# Altium PCB Fri3d_2024_Exp0_00.PcbDoc (part 1 of 2)
Units mm, origin at the board's own origin, x right, y up, seen from the top; angles counter-clockwise.
Board outline 99 x 104 mm, 2 copper layers (Top Layer, Bottom Layer), stack 1.571 mm thick; 37 components, 51 nets, 303 pads, 117 vias.
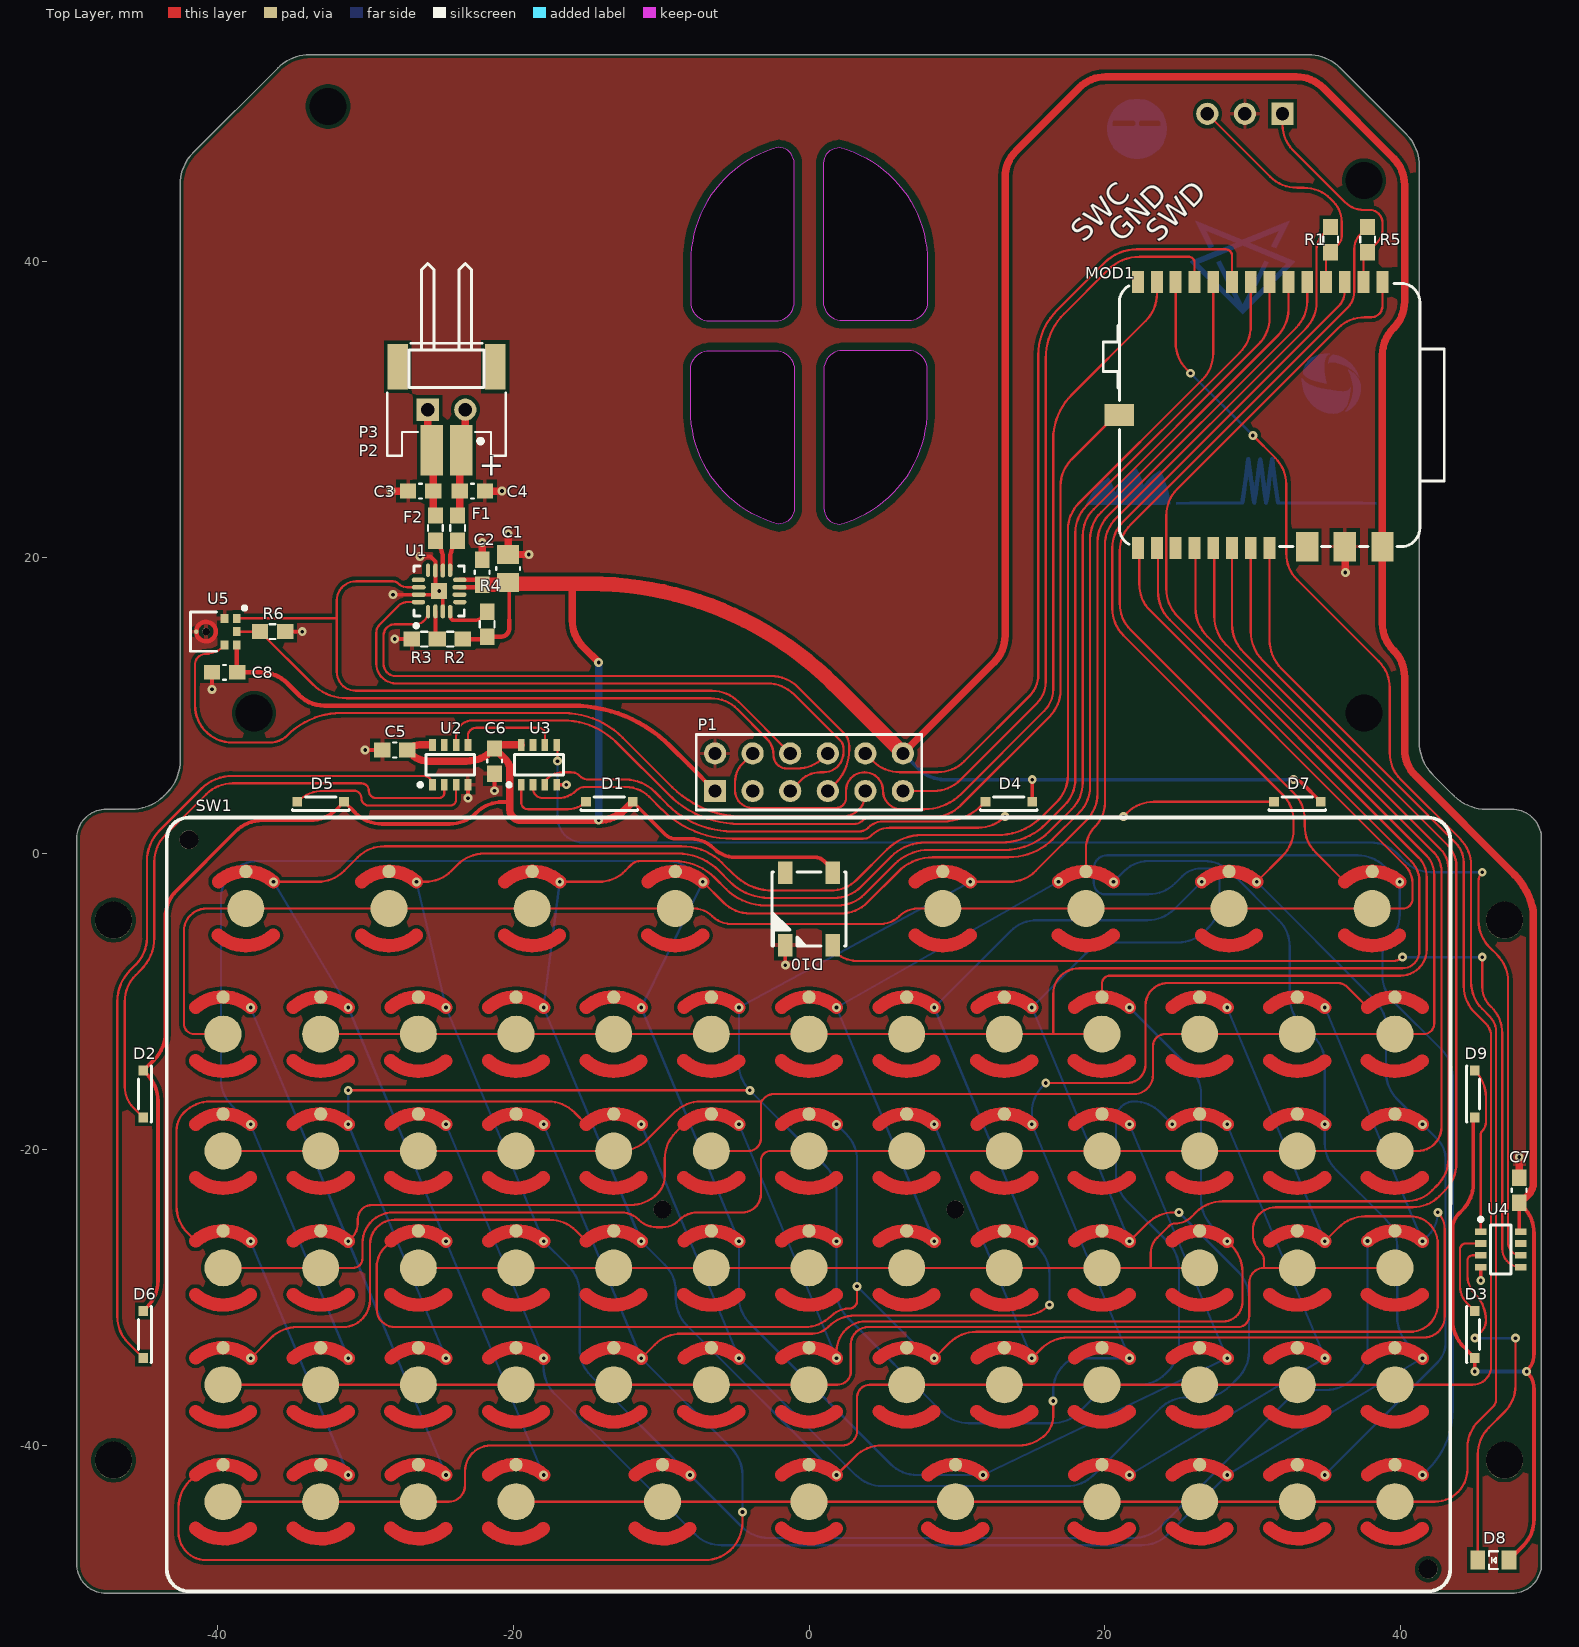
[diagram p0: Top Layer view]
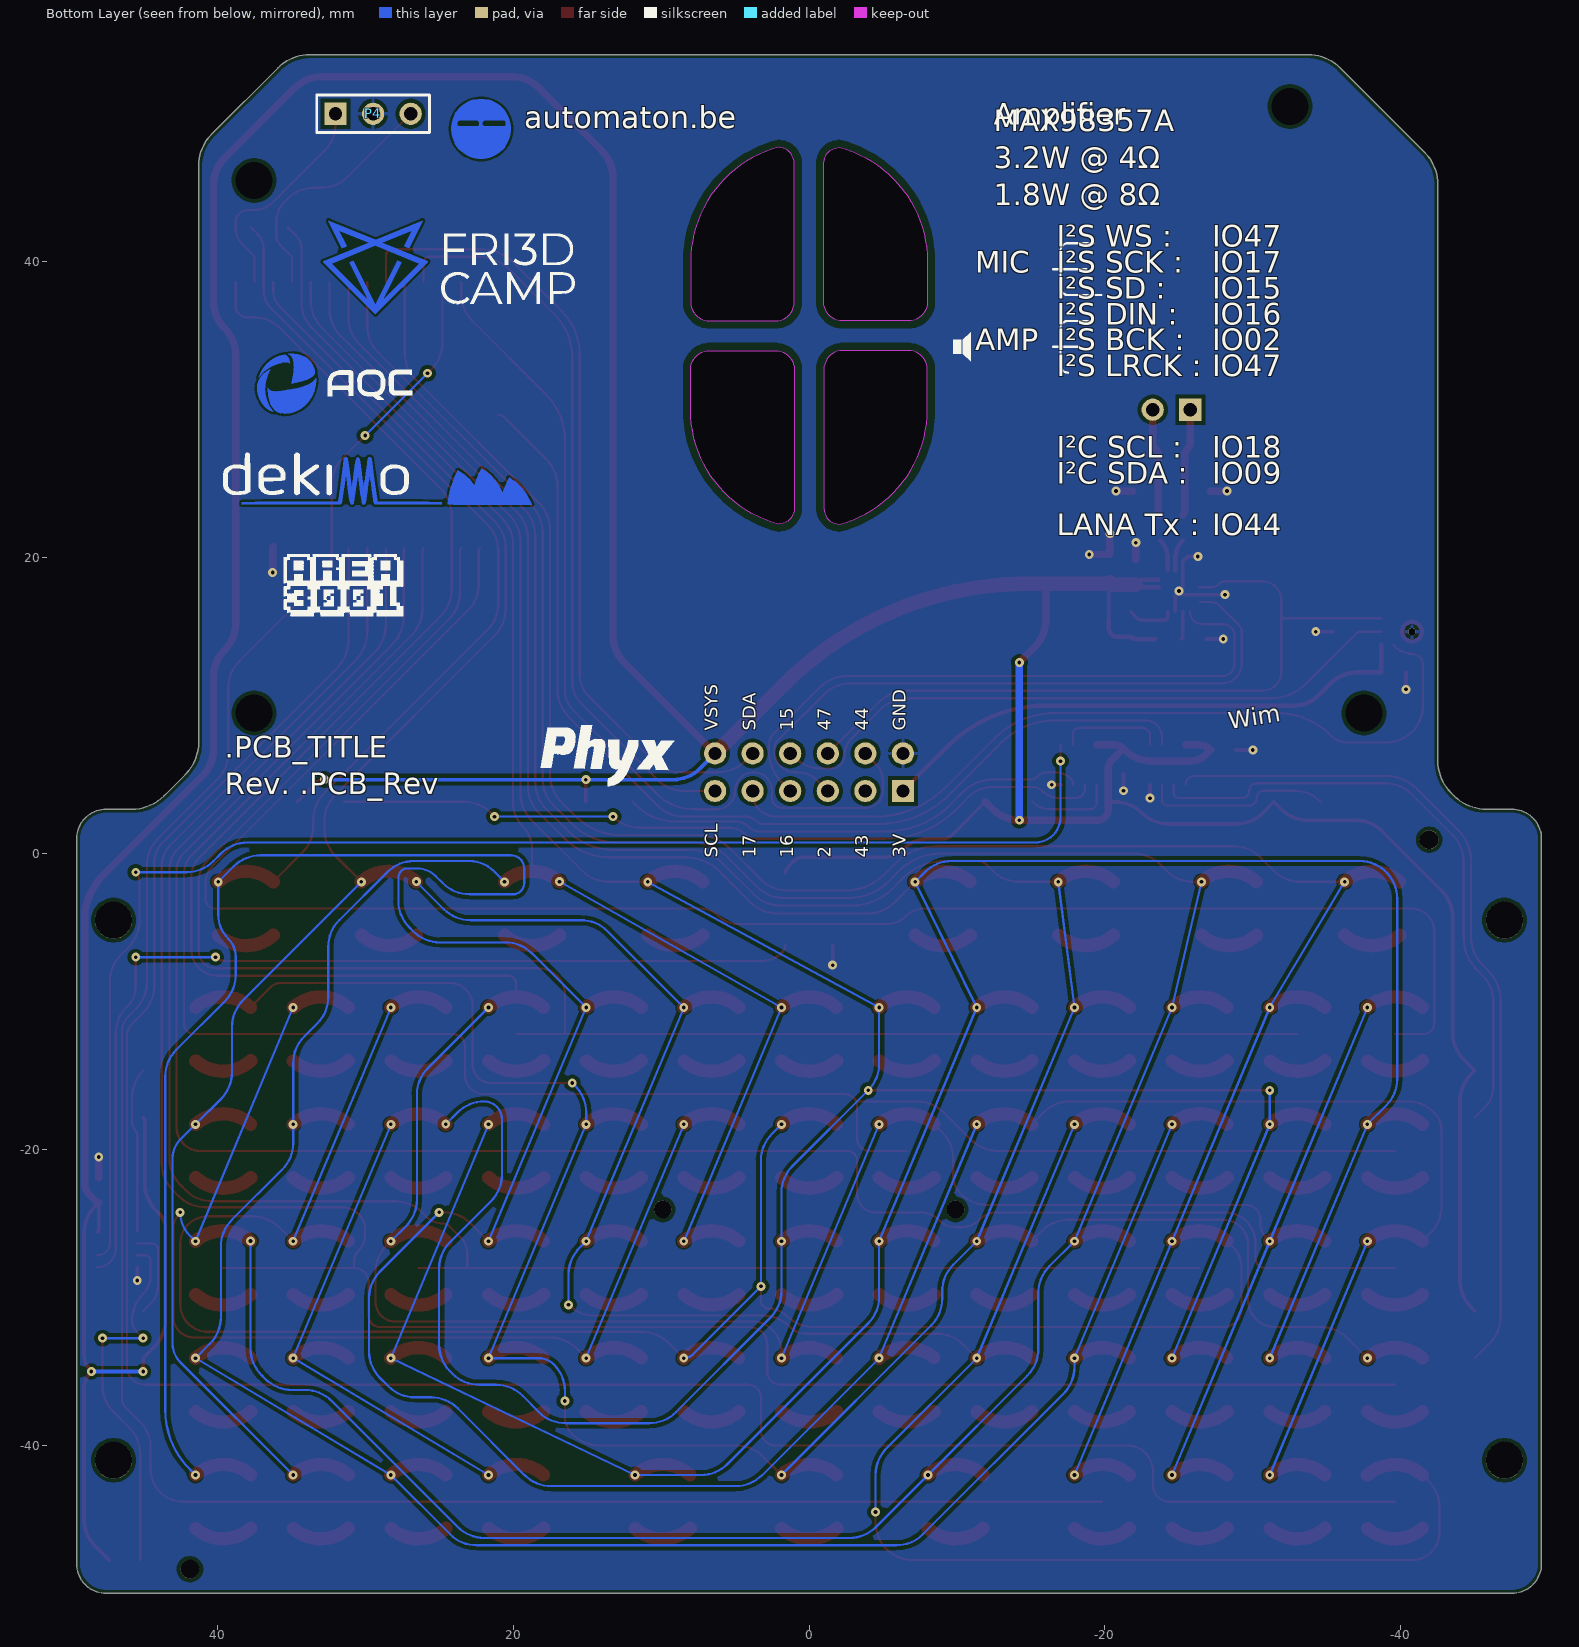
[diagram p1: Bottom Layer view, seen from below]

## Layer stack, top to bottom
Top Solder: solder mask 0.0102, Solder Resist, Dk 3.5
Top Layer: signal copper 0.0356
Dielectric1: core 1.5, FR-4, Dk 4.8
Bottom Layer: signal copper 0.0356
Bottom Solder: solder mask 0.0102, Solder Resist, Dk 3.5

## Board outline
-49.5,-48 ccw(c-47.5,-48) -47.5,-50 47.5,-50 ccw(c47.5,-48) 49.5,-48 49.5,1 ccw(c47.5,1) 47.5,3 45.77,3 cw(c45.77,6.066) 43.602,3.898 43.5,4 42.148,5.352 cw(c44.316,7.52) 41.25,7.52 41.25,7.561 41.25,46.48 ccw(c38.184,46.48) 40.352,48.648 35.898,53.102 ccw(c33.73,50.934) 33.73,54 -33.73,54 ccw(c-33.73,50.934) -35.898,53.102 -41.602,47.398 ccw(c-39.434,45.23) -42.5,45.23 -42.5,6.27 cw(c-45.566,6.27) -43.398,4.102 -43.5,4 -43.602,3.898 cw(c-45.77,6.066) -45.77,3 -47.5,3 ccw(c-47.5,1) -49.5,1
cut-out: -8,32.73 cw(c-6.73,32.73) -6.73,34 -2.27,34 cw(c-2.27,32.73) -1,32.73 -1,23.343 cw(c-2.071,23.343) -2.071,22.273 cw(c0,30) -8,30
cut-out: 8,32.73 ccw(c6.73,32.73) 6.73,34 2.27,34 ccw(c2.27,32.73) 1,32.73 1,23.343 ccw(c2.071,23.343) 2.071,22.273 ccw(c0,30) 8,30
cut-out: 8,37.27 cw(c6.73,37.27) 6.73,36 2.27,36 cw(c2.27,37.27) 1,37.27 1,46.657 cw(c2.071,46.657) 2.071,47.728 cw(c0,40) 8,40
cut-out: -8,37.27 ccw(c-6.73,37.27) -6.73,36 -2.27,36 ccw(c-2.27,37.27) -1,37.27 -1,46.657 ccw(c-2.071,46.657) -2.071,47.727 ccw(c0,40) -8,40

## Design rules (kind name [scope] priority, off if disabled: settings)
BoardOutlineClearance [NOT OnLayer('Top Overlay') AND NOT OnLayer('Bottom Overlay') AND NOT IsText AND NOT HasFootprint('MicroBIT_V2_PCB') AND NOT IsKeepOut] p1: gap=0.5 ignorepadtopadclearanceinfootprint=FALSE except(0: Arc-SplitContinuation Track-SplitContinuation SMDPad-SplitContinuation THPad-SplitContinuation Via-SplitContinuation Fill-SplitContinuation Poly-SplitContinuation Region-SplitContinuation Text-SplitContinuation; 0.15: SMDPad-OutlineEdge THPad-OutlineEdge; 0.25: Poly-OutlineEdge Region-OutlineEdge; 0.3: Arc-OutlineEdge Track-OutlineEdge; 0.4: Via-OutlineEdge)
Clearance [All] p1: gap=0.15 ignorepadtopadclearanceinfootprint=FALSE except(0: Arc-Hole Track-Hole SMDPad-Hole THPad-Hole Via-Hole Fill-Hole Region-Hole Text-Hole; 0.25: Arc-Poly Track-Poly SMDPad-Poly THPad-Poly Via-Poly Fill-Poly Poly-Hole; 1.1: Poly-Poly)
ComponentClearance ComponentClearance_TP [HasFootprint('TP_2x3mm')] p1: gap=0 collisioncheckmode=3 verticalgap=0 showdistances=FALSE
ComponentClearance ComponentClearance_CO2 [InComponent('P5') OR InComponent('P8') OR InComponent('MOD2') vs InComponent('P5') OR InComponent('P8') OR InComponent('MOD2')] p2: gap=0 collisioncheckmode=3 verticalgap=0 showdistances=FALSE
ComponentClearance ComponentClearance_BAT [InComponent('P4')  OR InComponent('BAT1') OR InComponent('R27') vs InComponent('P4')  OR InComponent('BAT1') OR InComponent('R27')] p3: gap=0 collisioncheckmode=3 verticalgap=0 showdistances=FALSE
ComponentClearance ComponentClearance_R31-T5 [InComponent('R31') OR InComponent('T5') vs InComponent('R31') OR InComponent('T5')] p4: gap=0 collisioncheckmode=3 verticalgap=0 showdistances=FALSE
ComponentClearance "ComponentClearance_Selection resistors" [InComponent('R45') OR InComponent('R44') OR InComponent('R33') OR InComponent('R34') vs InComponent('R45') OR InComponent('R44') OR InComponent('R33') OR InComponent('R34')] p5: gap=0 collisioncheckmode=3 verticalgap=0 showdistances=FALSE
ComponentClearance ComponentClearance_T9-R4 [InComponent('R4') OR InComponent('T9') vs InComponent('R4') OR InComponent('T9')] p6: gap=0 collisioncheckmode=3 verticalgap=0 showdistances=FALSE
ComponentClearance ComponentClearance_IR [InComponent('D6') OR InComponent('D15') vs InComponent('D6') OR InComponent('D15')] p7: gap=0 collisioncheckmode=3 verticalgap=0 showdistances=FALSE
ComponentClearance [All] p8: gap=0.25 collisioncheckmode=3 verticalgap=0.25 showdistances=FALSE
DiffPairsRouting [All] p1: maxlimit=0.254 minlimit=0.2 mostfreqgap=0.2 toplayer_minwidth=0.25 toplayer_maxwidth=0.5 toplayer_prefwidth=0.25 bottomlayer_minwidth=0.25 bottomlayer_maxwidth=0.5 bottomlayer_prefwidth=0.25 maxuncoupledlength=12.7
HoleSize [All] p1: absolutevalues=TRUE maxlimit=20 minlimit=0.025 maxpercent=80.000 minpercent=20.000
PolygonConnect PolygonConnect_VIA [IsVia] p1: connectstyle=Direct reliefconductorwidth=0.254 reliefentries=4 polygonreliefangle="90 Angle" airgapwidth=0.254
PolygonConnect [All] p2: connectstyle=Relief reliefconductorwidth=0.254 reliefentries=4 polygonreliefangle="90 Angle" airgapwidth=0.254
RoutingVias [All] p1: holewidth=0.3 width=0.7 viastyle="Through Hole" minholewidth=0.3 minwidth=0.2 maxholewidth=0.6 maxwidth=1.2
SilkToSolderMaskClearance SilkscreenOverComponentPads [IsPad] p1: minsilkscreentomaskgap=0.254 clearancetoexposedcopper=TRUE
SolderMaskExpansion [All] p1: expansion=0.05 istentingtop=FALSE
Width [All] p1: maxlimit=5 minlimit=0.15 preferedwidth=0.25
26 further rules are at their usual default settings.

## Classes and differential pairs
component class Designator: C5 C6 C7 D1 D2 D3 D4 D5 D6 D7 D8 D9 D10 MOD1 P4 R1 R5 SW1 U2 U3 U4
component class Fri3d_2024_Exp0_00: C1 C2 C3 C4 C8 F1 F2 P1 P2 P3 R2 R3 R4 R6 U1 U5

## Components (designator, comment, footprint, x,y, rotation, side; value= is the part's Value field where it differs from the comment)
C1 "CAP_CERAMIC" C0805_N -20.337,19.263 r90 top value="10uF 10V"
C2 "" C0603_N -22.087,19.013 r90 top value="100nF 16V"
C3 "CAP_CERAMIC" C0603_N -26.25,24.5 r180 top value=220pF
C4 "CAP_CERAMIC" C0603_N -22.75,24.5 r0 top value=220pF
C5 "CAP_CERAMIC" C0603_N -28,7 r180 top value="1uF 16V"
C6 "CAP_CERAMIC" C0603_N -21.25,6.25 r270 top value="1uF 16V"
C7 "CAP_CERAMIC" C0603_N 48,-22.75 r90 top value="1uF 16V"
C8 "" C0603_N -39.5,12.25 r180 top value="100nF 16V"
D1 "Side emitting Cool White LED 3.0V 30mA 120° 2900mcd" LITE_LTW-010DCG -13.5,3.5 r180 top value=LTW-010DCG-SR-G
D2 "Side emitting Cool White LED 3.0V 30mA 120° 2900mcd" LITE_LTW-010DCG -45,-16.25 r270 top value=LTW-010DCG-SR-G
D3 "Side emitting Cool White LED 3.0V 30mA 120° 2900mcd" LITE_LTW-010DCG 45,-32.5 r90 top value=LTW-010DCG-SR-G
D4 "Side emitting Cool White LED 3.0V 30mA 120° 2900mcd" LITE_LTW-010DCG 13.5,3.5 r180 top value=LTW-010DCG-SR-G
D5 "Side emitting Cool White LED 3.0V 30mA 120° 2900mcd" LITE_LTW-010DCG -33,3.5 r180 top value=LTW-010DCG-SR-G
D6 "Side emitting Cool White LED 3.0V 30mA 120° 2900mcd" LITE_LTW-010DCG -45,-32.5 r270 top value=LTW-010DCG-SR-G
D7 "Side emitting Cool White LED 3.0V 30mA 120° 2900mcd" LITE_LTW-010DCG 33,3.5 r180 top value=LTW-010DCG-SR-G
D8 "Default 0805 Red LED" LED_0805_RD 46.25,-47.75 r180 top
D9 "Side emitting Cool White LED 3.0V 30mA 120° 2900mcd" LITE_LTW-010DCG 45,-16.25 r90 top value=LTW-010DCG-SR-G
D10 "WS2812 based digital RGB LED 5050 Black package" LED_5050_WS2812B_BLACK 0,-3.75 r270 top value="WS218B 5050 BL"
F1 "BLM18KG601SN1D" L0603 -23.75,22 r90 top value="1A3 0R15"
F2 "BLM18KG601SN1D" L0603 -25.25,22 r90 top value="1A3 0R15"
MOD1 "CH23V203 based TNY module" PHYX_LANA_TNY_SMD 41.29,20.75 r90 top value="LANA TNY"
P1 "Header 6X2" HDR2X6 -6.35,4.23 r0 top locked
P2 "Header 2.0mm Shrouded 2" WE_620102131822 -23.5,27.25 r180 top value=620102131822
P3 "Header 2 RA" HDR1X2_RA -25.77,30 r180 top
P4 "Header 3" HDR1X3 32,50 r180 bottom
R1 "RESISTOR" R0603_N 35.25,41.5 r270 top value=0R
R2 "RESISTOR" R0603_N -24.25,14.5 r0 top value=100K
R3 "RESISTOR" R0603_N -26,14.5 r180 top value=100K
R4 "RESISTOR" R0603_N -21.75,15.5 r90 top value=1M
R5 "RESISTOR" R0603_N 37.75,41.5 r270 top value=0R
R6 "RESISTOR" R0603_N -36.25,15 r0 top value=100K
SW1 "Full QWERTY Keyboard Solder Party Dome Sheet" SOLDER_PARTY_KEYB -43.409,-48.36 r0 top locked
U1 "Mono I²S DAC AMP 3W 2.5~5.5V" QFN_16_0.5_3X3 -25,17.75 r90 top value=MAX98357A
U2 "3 Channel CC LED Driver 20mA" WS_FSOP-8 -24.25,6 r90 top value=WS2811F
U3 "3 Channel CC LED Driver 20mA" WS_FSOP-8 -18.25,6 r90 top value=WS2811F
U4 "3 Channel CC LED Driver 20mA" WS_FSOP-8 46.75,-26.75 r0 top value=WS2811F
U5 "I2S MIC ICS-43434" TDK_ICS-43434 -40.75,15 r180 top value=ICS-43434

## Footprints (in the part's own frame and the unit in brackets; to place one, negate y for a bottom-side part, rotate by r counter-clockwise, add the part's x,y. Pads: shape width x height; smd on the part's side, far side on the other; paste and mask are expansions set on the pad)
C0603_N [mm] "Low density"
  rect 1.1x1 smd: 1(-0.85,0) 2(0.85,0)
  silkscreen extent -0.1,-0.5 0.1,0.5, body extent -0.8,-0.4 0.8,0.4, height 0.3
C0805_N [mm] "Low density"
  rect 1.3x1.5 smd: 1(-0.95,0) 2(0.95,0)
  silkscreen extent -0.1,-0.8 0.1,0.8, body extent -1,-0.62 1,0.63, height 0.78
HDR1X2_RA [mm] "Connector; Header; 2 Position, Right Angle"
  rect 1.5x1.5 hole 0.9: 1(0,0)
  round 1.5 hole 0.9: 2(-2.54,0)
  silkscreen extent -3.81,-9.88 1.27,-1.5, body extent -3.81,-10.06 1.27,0.3, height 2.55
HDR1X3 [mm] "Connector; Header; 3 Position"
  rect 1.5x1.5 hole 0.9: 1(0,0)
  round 1.5 hole 0.9: 2(2.54,0) 3(5.08,0)
  silkscreen extent -1.27,-1.27 6.35,1.27, body extent -1.27,-1.23 6.35,1.27, height 8.2
HDR2X6 [mm] "Connector; Header; 6x2 Position"
  rect 1.5x1.5 hole 0.9: 1(0,0)
  round 1.5 hole 0.9: 2(0,2.54) 3(2.54,0) 4(2.54,2.54) 5(5.08,0) 6(5.08,2.54) 7(7.62,0) 8(7.62,2.54) 9(10.16,0) 10(10.16,2.54) 11(12.7,0) 12(12.7,2.54)
  silkscreen extent -1.27,-1.27 13.97,3.81, body extent -1.27,-1.27 13.97,3.81, height 8.5
L0603 [mm] "Low density 0603"
  rect 1.1x1 smd: 1(-0.85,0) 2(0.85,0)
  silkscreen extent -0.2,-0.5 0.2,0.5, body extent -0.8,-0.41 0.8,0.41, height 0.45
LED_0805_RD [mm] "0805 LED RED"
  rect 1x1.3 smd: 1(-1.05,0) 2(1.05,0)
  silkscreen extent -0.3,-0.6 0.3,0.6, body extent -1.01,-0.62 1.01,0.62, height 1.1
LED_5050_WS2812B_BLACK [mm] "5050 RGB LED WS2812B BLACK"
  rect 1.5x1 smd: 1(-2.45,1.6) 2(-2.45,-1.6) 3(2.45,-1.6) 4(2.45,1.6)
  silkscreen extent -2.5,-2.5 2.5,2.5, body extent -2.7,-2.5 2.7,2.5, height 1.6
LITE_LTW-010DCG [mm] "5050 RGB LED WS2812B WHITE"
  rect 0.67x0.66 smd: 1(-1.585,0) 2(1.585,0)
  silkscreen extent -1.9,-0.32 1.9,0.58, body extent -1.9,-0.33 1.9,0.58, height 0.4
PHYX_LANA_TNY_SMD [mm] "Phyx LANA TNY SMD"
  rect 1.5x0.8 smd: 1(-0.1,19.05) 2(-0.1,17.78) 3(-0.1,16.51) 4(-0.1,15.24) 5(-0.1,13.97) 6(-0.1,12.7) 7(-0.1,11.43) 8(-0.1,10.16) 12(17.88,2.54) 13(17.88,3.81) 14(17.88,5.08) 15(17.88,6.35) 16(17.88,7.62) 17(17.88,8.89) 18(17.88,10.16) 19(17.88,11.43) 20(17.88,12.7) 21(17.88,13.97) 22(17.88,15.24) 23(17.88,16.51) 24(17.88,17.78) 25(17.88,19.05)
  rect 2x1.5 smd: 9(0,7.62) 10(0,5.08) 11(0,2.54)
  rect 1.5x2 smd: 26(8.89,20.32)
  silkscreen extent 0,-1.64 17.78,21.4, body extent 0,-1.65 17.78,21.39, height 5.4
QFN_16_0.5_3X3 [mm] "QFN, 16-Leads, Body 3,00x3,00mm, Pitch 0,50mm, Thermal Pad 1,10x1,10mm, IPC Medium Density"
  oval 0.9x0.3 smd: 1(-1.4,0.75) 4(-1.4,-0.75) 9(1.4,-0.75) 12(1.4,0.75)
  oval 0.95x0.3 smd: 2(-1.375,0.25) 3(-1.375,-0.25) 10(1.375,-0.25) 11(1.375,0.25)
  oval 0.3x0.9 smd: 5(-0.75,-1.4) 8(0.75,-1.4) 13(0.75,1.4) 16(-0.75,1.4)
  oval 0.3x0.95 smd: 6(-0.25,-1.375) 7(0.25,-1.375) 14(0.25,1.375) 15(-0.25,1.375)
  rect 1.1x1.1 smd: 17(0,0)
  silkscreen extent -2.47,-1.7 1.7,1.7, body extent -1.56,-1.56 1.56,1.56, height 0.8
R0603_N [mm] "Low density"
  rect 1.1x1 smd: 1(-0.85,0) 2(0.85,0)
  silkscreen extent -0.2,-0.5 0.2,0.5, body extent -0.8,-0.41 0.8,0.41, height 0.45
SOLDER_PARTY_KEYB [mm]
  round 1.27 hole 1.27 unplated: 0(1.5,49.3) 0(85.25,0)
  round 1.2 hole 1.2 unplated: 0(33.5,24.31) 0(53.3,24.31)
  round 0.9 smd paste-2539.97: 1(5.349,47.151) 3(15.024,47.151) 5(24.699,47.151) 7(34.374,47.151) 9(52.449,47.151) 11(62.124,47.151) 13(71.799,47.151) 15(81.474,47.151) 17(3.809,38.661) 19(10.409,38.661) 21(17.009,38.661) 23(23.609,38.661) 25(30.209,38.661) 27(36.809,38.661) 29(43.409,38.661) 31(50.009,38.661) 33(56.609,38.661) 35(63.209,38.661) 37(69.809,38.661) 39(76.409,38.661) 41(83.009,38.661) 43(3.809,30.761) 45(10.409,30.761) 47(17.009,30.761) 49(23.609,30.761) 51(30.209,30.761) 53(36.809,30.761) 55(43.409,30.761) 57(50.009,30.761) 59(56.609,30.761) 61(63.209,30.761) 63(69.809,30.761) 65(76.409,30.761) 67(83.009,30.761) 69(3.809,22.861) 71(10.409,22.861) 73(17.009,22.861) 75(23.609,22.861) 77(30.209,22.861) 79(36.809,22.861) 81(43.409,22.861) 83(50.009,22.861) 85(56.609,22.861) 87(63.209,22.861) 89(69.809,22.861) 91(76.409,22.861) 93(83.009,22.861) 95(3.809,14.961) 97(10.409,14.961) 99(17.009,14.961) 101(23.609,14.961) 103(30.209,14.961) 105(36.809,14.961) 107(43.409,14.961) 109(50.009,14.961) 111(56.609,14.961) 113(63.209,14.961) 115(69.809,14.961) 117(76.409,14.961) 119(83.009,14.961) 121(3.809,7.061) 123(10.409,7.06) 125(17.009,7.06) 127(23.609,7.06) 129(33.509,7.06) 131(43.409,7.06) 133(53.309,7.06) 135(63.209,7.06) 137(69.809,7.06) 139(76.409,7.06) 141(83.009,7.06)
  round 2.5 smd paste-2539.97: 2(5.349,44.65) 4(15.024,44.65) 6(24.699,44.65) 8(34.374,44.65) 10(52.449,44.65) 12(62.124,44.65) 14(71.799,44.65) 16(81.474,44.65) 18(3.809,36.16) 20(10.409,36.16) 22(17.009,36.16) 24(23.609,36.16) 26(30.209,36.16) 28(36.809,36.16) 30(43.409,36.16) 32(50.009,36.16) 34(56.609,36.16) 36(63.209,36.16) 38(69.809,36.16) 40(76.409,36.16) 42(83.009,36.16) 44(3.809,28.26) 46(10.409,28.26) 48(17.009,28.26) 50(23.609,28.26) 52(30.209,28.26) 54(36.809,28.26) 56(43.409,28.26) 58(50.009,28.26) 60(56.609,28.26) 62(63.209,28.26) 64(69.809,28.26) 66(76.409,28.26) 68(83.009,28.26) 70(3.809,20.36) 72(10.409,20.36) 74(17.009,20.36) 76(23.609,20.36) 78(30.209,20.36) 80(36.809,20.36) 82(43.409,20.36) 84(50.009,20.36) 86(56.609,20.36) 88(63.209,20.36) 90(69.809,20.36) 92(76.409,20.36) 94(83.009,20.36) 96(3.809,12.46) 98(10.409,12.46) 100(17.009,12.46) 102(23.609,12.46) 104(30.209,12.46) 106(36.809,12.46) 108(43.409,12.46) 110(50.009,12.46) 112(56.609,12.46) 114(63.209,12.46) 116(69.809,12.46) 118(76.409,12.46) 120(83.009,12.46) 122(3.809,4.56) 124(10.409,4.559) 126(17.009,4.559) 128(23.609,4.559) 130(33.509,4.559) 132(43.409,4.559) 134(53.309,4.559) 136(63.209,4.559) 138(69.809,4.559) 140(76.409,4.559) 142(83.009,4.559)
  Top Layer lines w0.9: 1.944,2.76 ccw(c3.809,4.853) 5.657,2.746 ; 1.944,10.66 ccw(c3.809,12.753) 5.657,10.646 ; 1.944,18.56 ccw(c3.809,20.653) 5.657,18.546 ; 1.944,26.46 ccw(c3.809,28.553) 5.657,26.446 ; 1.944,34.36 ccw(c3.809,36.453) 5.657,34.346 ; 1.958,6.374 cw(c3.806,4.267) 5.671,6.36 ; 1.958,14.274 cw(c3.806,12.167) 5.671,14.26 ; 1.958,22.174 cw(c3.806,20.067) 5.671,22.16 ; 1.958,30.074 cw(c3.806,27.967) 5.671,30.06 ; 1.958,37.974 cw(c3.806,35.867) 5.671,37.96 ; 3.484,42.85 ccw(c5.349,44.943) 7.197,42.836 ; 3.498,46.464 cw(c5.346,44.357) 7.211,46.45 ; 8.544,2.759 ccw(c10.409,4.852) 12.257,2.745 ; 8.544,10.66 ccw(c10.409,12.753) 12.257,10.646 ; 8.544,18.56 ccw(c10.409,20.653) 12.257,18.546 ; 8.544,26.46 ccw(c10.409,28.553) 12.257,26.446 ; 8.544,34.36 ccw(c10.409,36.453) 12.257,34.346 ; 8.558,6.373 cw(c10.406,4.266) 12.271,6.359 ; 8.557,14.274 cw(c10.406,12.167) 12.271,14.26 ; 8.557,22.174 cw(c10.406,20.067) 12.271,22.16 ; 8.557,30.074 cw(c10.406,27.967) 12.271,30.06 ; 8.557,37.974 cw(c10.406,35.867) 12.271,37.96 ; 13.159,42.85 ccw(c15.024,44.943) 16.872,42.836 ; 13.173,46.464 cw(c15.021,44.357) 16.886,46.45 ; 15.144,2.759 ccw(c17.009,4.852) 18.857,2.745 ; 15.144,10.66 ccw(c17.009,12.753) 18.857,10.646 ; 15.144,18.56 ccw(c17.009,20.653) 18.857,18.546 ; 15.144,26.46 ccw(c17.009,28.553) 18.857,26.446 ; 15.144,34.36 ccw(c17.009,36.453) 18.857,34.346 ; 15.158,6.373 cw(c17.006,4.266) 18.871,6.359 ; 15.157,14.274 cw(c17.006,12.167) 18.871,14.26 ; 15.157,22.174 cw(c17.006,20.067) 18.871,22.16 ; 15.157,30.074 cw(c17.006,27.967) 18.871,30.06 ; 15.157,37.974 cw(c17.006,35.867) 18.871,37.96 ; 21.744,2.759 ccw(c23.609,4.852) 25.457,2.745 ; 21.744,10.66 ccw(c23.609,12.753) 25.457,10.646 ; 21.744,18.56 ccw(c23.609,20.653) 25.457,18.546 ; 21.744,26.46 ccw(c23.609,28.553) 25.457,26.446 ; 21.744,34.36 ccw(c23.609,36.453) 25.457,34.346 ; 21.758,6.373 cw(c23.606,4.266) 25.471,6.359 ; 21.758,14.274 cw(c23.606,12.167) 25.471,14.26 ; 21.758,22.174 cw(c23.606,20.067) 25.471,22.16 ; 21.758,30.074 cw(c23.606,27.967) 25.471,30.06 ; 21.758,37.974 cw(c23.606,35.867) 25.471,37.96 ; 22.834,42.85 ccw(c24.699,44.943) 26.547,42.836 ; 22.848,46.464 cw(c24.696,44.357) 26.561,46.45 ; 28.344,10.66 ccw(c30.209,12.753) 32.057,10.646 ; 28.344,18.56 ccw(c30.209,20.653) 32.057,18.546 ; 28.344,26.46 ccw(c30.209,28.553) 32.057,26.446 ; 28.344,34.36 ccw(c30.209,36.453) 32.057,34.346 ; 28.358,14.274 cw(c30.206,12.167) 32.071,14.26 ; 28.358,22.174 cw(c30.206,20.067) 32.071,22.16 ; 28.358,30.074 cw(c30.206,27.967) 32.071,30.06 ; 28.358,37.974 cw(c30.206,35.867) 32.071,37.96 ; 31.644,2.759 ccw(c33.509,4.852) 35.357,2.745 ; 31.658,6.373 cw(c33.506,4.266) 35.371,6.359 ; 32.509,42.85 ccw(c34.374,44.943) 36.222,42.836 ; 32.523,46.464 cw(c34.371,44.357) 36.236,46.45 ; 34.944,10.66 ccw(c36.809,12.753) 38.657,10.646 ; 34.944,18.56 ccw(c36.809,20.653) 38.657,18.546 ; 34.944,26.46 ccw(c36.809,28.553) 38.657,26.446 ; 34.944,34.36 ccw(c36.809,36.453) 38.657,34.346 ; 34.958,14.274 cw(c36.806,12.167) 38.671,14.26 ; 34.958,22.174 cw(c36.806,20.067) 38.671,22.16 ; 34.958,30.074 cw(c36.806,27.967) 38.671,30.06 ; 34.958,37.974 cw(c36.806,35.867) 38.671,37.96 ; 41.544,2.759 ccw(c43.409,4.852) 45.257,2.745 ; 41.544,10.66 ccw(c43.409,12.753) 45.257,10.646 ; 41.544,18.56 ccw(c43.409,20.653) 45.257,18.546 ; 41.544,26.46 ccw(c43.409,28.553) 45.257,26.446 ; 41.544,34.36 ccw(c43.409,36.453) 45.257,34.346 ; 41.558,6.373 cw(c43.406,4.266) 45.271,6.359 ; 41.557,14.274 cw(c43.406,12.167) 45.271,14.26 ; 41.557,22.174 cw(c43.406,20.067) 45.271,22.16 ; 41.557,30.074 cw(c43.406,27.967) 45.271,30.06 ; 41.557,37.974 cw(c43.406,35.867) 45.271,37.96 ; 48.144,10.66 ccw(c50.009,12.753) 51.857,10.646 ; 48.144,18.56 ccw(c50.009,20.653) 51.857,18.546 ; 48.144,26.46 ccw(c50.009,28.553) 51.857,26.446 ; 48.144,34.36 ccw(c50.009,36.453) 51.857,34.346 ; 48.158,14.274 cw(c50.006,12.167) 51.871,14.26 ; 48.158,22.174 cw(c50.006,20.067) 51.871,22.16 ; 48.158,30.074 cw(c50.006,27.967) 51.871,30.06 ; 48.158,37.974 cw(c50.006,35.867) 51.871,37.96 ; 50.584,42.85 ccw(c52.449,44.943) 54.297,42.836 ; 50.598,46.464 cw(c52.446,44.357) 54.311,46.45 ; 51.444,2.759 ccw(c53.309,4.852) 55.157,2.745 ; 51.458,6.373 cw(c53.306,4.266) 55.171,6.359 ; 54.744,10.66 ccw(c56.609,12.753) 58.457,10.646 ; 54.744,18.56 ccw(c56.609,20.653) 58.457,18.546 ; 54.744,26.46 ccw(c56.609,28.553) 58.457,26.446 ; 54.744,34.36 ccw(c56.609,36.453) 58.457,34.346 ; 54.758,14.274 cw(c56.606,12.167) 58.471,14.26 ; 54.758,22.174 cw(c56.606,20.067) 58.471,22.16 ; 54.758,30.074 cw(c56.606,27.967) 58.471,30.06 ; 54.758,37.974 cw(c56.606,35.867) 58.471,37.96 ; 60.259,42.85 ccw(c62.124,44.943) 63.973,42.836 ; 60.273,46.464 cw(c62.121,44.357) 62.124,47.16 cw(c62.121,44.357) 63.986,46.45 ; 61.344,2.759 ccw(c63.209,4.852) 65.057,2.745 ; 61.344,10.66 ccw(c63.209,12.753) 65.057,10.646 ; 61.344,18.56 ccw(c63.209,20.653) 65.057,18.546 ; 61.344,26.46 ccw(c63.209,28.553) 65.057,26.446 ; 61.344,34.36 ccw(c63.209,36.453) 65.057,34.346 ; 61.358,6.373 cw(c63.206,4.266) 65.071,6.359 ; 61.358,14.274 cw(c63.206,12.167) 65.071,14.26 ; 61.358,22.174 cw(c63.206,20.067) 65.071,22.16 ; 61.358,30.074 cw(c63.206,27.967) 65.071,30.06 ; 61.358,37.974 cw(c63.206,35.867) 63.209,38.67 cw(c63.206,35.867) 65.071,37.96 ; 67.944,2.759 ccw(c69.809,4.852) 71.657,2.745 ; 67.944,10.66 ccw(c69.809,12.753) 71.657,10.646 ; 67.944,18.56 ccw(c69.809,20.653) 71.657,18.546 ; 67.944,26.46 ccw(c69.809,28.553) 71.657,26.446 ; 67.944,34.36 ccw(c69.809,36.453) 71.657,34.346 ; 67.958,6.373 cw(c69.806,4.266) 71.671,6.359 ; 67.958,14.274 cw(c69.806,12.167) 71.671,14.26 ; 67.958,22.174 cw(c69.806,20.067) 71.671,22.16 ; 67.958,30.074 cw(c69.806,27.967) 71.671,30.06 ; 67.958,37.974 cw(c69.806,35.867) 71.671,37.96 ; 69.934,42.85 ccw(c71.799,44.943) 73.647,42.836 ; 69.948,46.464 cw(c71.796,44.357) 71.799,47.16 cw(c71.796,44.357) 73.661,46.45 ; 74.544,2.759 ccw(c76.409,4.852) 78.257,2.745 ; 74.544,10.66 ccw(c76.409,12.753) 78.257,10.646 ; 74.544,18.56 ccw(c76.409,20.653) 78.257,18.546 ; 74.544,26.46 ccw(c76.409,28.553) 78.257,26.446 ; 74.544,34.36 ccw(c76.409,36.453) 78.257,34.346 ; 74.558,6.373 cw(c76.406,4.266) 78.271,6.359 ; 74.558,14.274 cw(c76.406,12.167) 78.271,14.26 ; 74.558,22.174 cw(c76.406,20.067) 78.271,22.16 ; 74.558,30.074 cw(c76.406,27.967) 78.271,30.06 ; 74.558,37.974 cw(c76.406,35.867) 78.271,37.96 ; 79.609,42.85 ccw(c81.474,44.943) 83.322,42.836 ; 79.623,46.464 cw(c81.471,44.357) 81.465,47.16 cw(c81.471,44.357) 83.336,46.45 ; 81.144,2.759 ccw(c83.009,4.852) 84.857,2.745 ; 81.144,10.66 ccw(c83.009,12.753) 84.857,10.646 ; 81.144,18.56 ccw(c83.009,20.653) 84.857,18.546 ; 81.144,26.46 ccw(c83.009,28.553) 84.857,26.446 ; 81.144,34.36 ccw(c83.009,36.453) 84.857,34.346 ; 81.158,6.373 cw(c83.006,4.266) 84.871,6.359 ; 81.158,14.274 cw(c83.006,12.167) 84.871,14.26 ; 81.158,22.174 cw(c83.006,20.067) 84.871,22.16 ; 81.158,30.074 cw(c83.006,27.967) 84.871,30.06 ; 81.158,37.974 cw(c83.006,35.867) 84.871,37.96
  silkscreen extent 0,-1.5 86.76,50.8, body extent 0,-1.5 86.75,50.8, height 4.95
TDK_ICS-43434 [mm]
  rect 0.522x0.6 smd: 1(-2.074,-0.9) 2(-1.252,-0.9) 4(-1.252,0.9) 5(-2.074,0.9) 6(-2.074,0)
  round 0.5 hole 0.5 unplated: 3(0,0)
  round 0.3 smd: 3(0.663,0)
  Top Layer circle w0.3: c0,0 r0.663
  silkscreen extent -2.73,-1.72 1.04,1.33, body extent -2.46,-1.33 1.04,1.33, height 0.98
WE_620102131822 [mm]
  rect 1.5x3.4 smd: 1(0,0) 2(2,0)
  rect 1.4x3.1 smd: M1(-2.3,-5.65) M2(4.3,-5.65)
  silkscreen extent -3,-7.24 5,0.37, body extent -3,-7.24 5,1.36, height 5.65
WS_FSOP-8 [mm] "TSOP, 8-Leads, Body 3,25x1,65mm, Pitch 0,80mm, IPC Medium Density"
  rect 0.8x0.45 smd: 1(-1.35,1.2) 2(-1.35,0.4) 3(-1.35,-0.4) 4(-1.35,-1.2) 5(1.35,-1.2) 6(1.35,-0.4) 7(1.35,0.4) 8(1.35,1.2)
  silkscreen extent -1.47,-1.65 0.7,2.15, body extent -1.43,-1.65 1.43,1.65, height 1

## Part data
C1: library part "CAP # 10uF 10V 0805", "Capacitor Ceramic", Supplier Part Number 1=2320859, Supplier 1=Farnell
C2 C8: library part "CAP # 100nF 16V 0603", "Capacitor Ceramic"
C3 C4: library part "CAP # 220pF 50V 0603", "Capacitor Ceramic", Supplier Part Number 1=C5254623, Supplier 1=LCSC, Supplier 2=LCSC, Supplier 3=Generic, Supplier Part Number 2=C107081, Supplier Part Number 3="220pF 0603"
C5 C6 C7: library part "CAP # 1uF 16V 0603", "Capacitor Ceramic", Supplier Part Number 1=2320814, Supplier 1=Farnell, Supplier 2=LCSC, Supplier 3=Generic, Supplier Part Number 2=C1592, Supplier Part Number 3="1uF 16V 0603 X7R"
D1 D2 D3 D4 D5 D6 D7 D9: library part "LED # White Side Emitting LTW-010DCG-SR-G", "=Description", Supplier Part Number 1=C5175311, Supplier 1=LCSC, Supplier 2=LCSC, Supplier 3=LCSC, Supplier Part Number 2=C5175309, Supplier Part Number 3=C5175310
D8: library part "LED # Red 0805", "=Description", Supplier Part Number 1=2099236, Supplier 1=Farnell, Supplier 2=LCSC, Supplier Part Number 2=C965812
D10: library part "LED # RGB WS2812B-5050 BL", "=Description", Supplier Part Number 1="WS2812B Black 5050", Supplier 1=Aliexpress, Supplier 2=LCSC, Supplier Part Number 2=C114586
F1 F2: library part "FER # 600R 1A3 0603 0R15 BLM18KG601SN1D", Supplier Part Number 1=1781094, Supplier 1=Farnell
MOD1: library part "MOD # CH23V203 LANA TNY SMD", Supplier Part Number 1="LANA TNY", Supplier 1=Phyx
P1: library part "Pin Header 2.54mm dual row 12way"
P2: library part "HDR # SHR 2.0mm 2way - 620102131822", Supplier Part Number 1=620102131822, Supplier 1=Wurth, Supplier 2=Mouser, Supplier Part Number 2=710-620102131822
P3: library part "Pin Header 2.54mm 2way RA"
P4: library part "Pin Header 2.54mm 3way", Supplier Part Number 1=C429954, Supplier 1=LCSC, Supplier 2=LCSC, Supplier Part Number 2=C49257
R1 R5: library part "RES # 0R 0603", Supplier Part Number 1=2447743, Supplier 1=Farnell, Supplier 2=LCSC, Supplier 3=Generic, Supplier Part Number 2=C95177, Supplier Part Number 3="0R 1% 0603"
R2 R3 R6: library part "RES # 100K 0603", Supplier 3=Generic, Supplier Part Number 3="100K 1% 0603"
R4: library part "RES # 1M 0603", Supplier 3=Generic, Supplier Part Number 3="1M 1% 0603"
SW1: library part Solder_Party_Keyb
U1: library part "AMP # AUD MAX98357A", "=Description", Supplier Part Number 1=2949165, Supplier 1=Farnell
U2 U3 U4: library part "LED_DRVR # WS2811F FSOP-8", "WS2811F 3-Ch LED Driver", Supplier Part Number 1=C5446692, Supplier 1=LCSC
U5: library part "MIC # MEMS I2S ICS-43434", "=Description", Supplier Part Number 1=410-ICS-43434, Supplier 1=Mouser, Supplier 2=Farnell, Supplier Part Number 2=2911502

## Free pads (board coordinates)
  round 2.5 hole 2.5 unplated: 0(-47,-41) 0(-47,-4.5) 0(47,-41) 0(47,-4.5)
  round 0 hole 2.5 unplated mask+0.2: 0(-37.5,9.5) 0(-32.5,50.5) 0(37.5,9.5) 0(37.5,45.5)

## Via types
v1: diameter 0.6, hole 0.25, Top Layer to Bottom Layer, 117 vias

## Nets (pads, with @x,y where several pads share a name; then routed paths per layer and width w, separated by ;. In a path a pad name is that pad's centre, name@x,y a point inside that pad or via, vN(x,y) a via of type N, cw(c..) or ccw(c..) an arc to the next point about the centre after c; other vN are vias at no path point)
3V3_AUX: C8.1 P1.1 U5.5 | length 36.9
  Top Layer w0.3: U5.5@-38.676,14.1 -38.676,12.313 ccw(c-38.587,12.313) C8.1@-38.65,12.25 -37.052,12.25 cw(c-37.052,9.71) -35.256,11.506 -34.457,10.707 ccw(c-32.75,12.414) -32.75,10 -16.001,10 cw(c-16.001,0.632) -9.376,7.256 -8.1,5.98 P1.1@-6.35,4.23
3V3_LANA: MOD1.9
COL0: MOD1.21 SW1.1 SW1.19 SW1.37 SW1.55 SW1.73 SW1.91 SW1.109 SW1.127 | length 264.5
  Top Layer w0.15: v1(-36.198,-1.91) -33.212,-1.91 ccw(c-33.212,0.63) -31.416,-1.166 -30.494,-0.244 cw(c-28.698,-2.04) -28.698,0.5 -8.617,0.5 cw(c-8.617,-3.405) -5.856,-0.644 -5.098,-1.402 ccw(c-2.448,1.247) -2.448,-2.5 1.448,-2.5 ccw(c1.448,0.04) 3.244,-1.756 5.293,0.293 cw(c7.604,-2.018) 7.604,1.25 12.741,1.25 ccw(c12.741,5.497) 15.744,2.494 16.756,3.506 ccw(c14.96,5.302) 17.5,5.302 17.5,21.898 cw(c20.04,21.898) 18.244,23.694 26.576,32.026 ccw(c24.78,33.822) 27.32,33.822 MOD1.21@27.32,38.63 ; -28.251,-26.187 -28.661,-26.596 ccw(c-27.31,-27.948) -29.221,-27.948 -29.221,-30.779 ccw(c-28,-30.779) -28,-32 -0.302,-32 ccw(c-0.302,-29.46) 1.494,-31.256 cw(c2.716,-32.478) 2.716,-30.75 ccw(c2.716,-30.216) 3.25,-30.216 v1(3.25,-29.25) ; v1(8.462,-34.1) 9.495,-33.067 cw(c11.291,-34.863) 11.291,-32.323 40.635,-32.323 ccw(c40.635,-30.458) 42.5,-30.458 42.5,-26.371 ccw(c40.646,-26.371) 40.646,-24.518 37.597,-24.518 ccw(c37.597,-27.058) 35.801,-25.262 v1(34.862,-26.2)
  Bottom Layer w0.15: v1(-36.198,-1.91) v1(-31.138,-10.4) v1(-24.538,-26.2) v1(-17.938,-42) ; v1(1.862,-18.3) 2.506,-18.944 cw(c0.71,-20.74) 3.25,-20.74 v1(3.25,-29.25) 7.844,-33.844 ccw(c8.462,-33.226) v1(8.462,-34.1) ; v1(28.262,-10.4) v1(34.862,-26.2)
COL1: MOD1.19 SW1.3 SW1.21 SW1.39 SW1.57 SW1.75 SW1.93 SW1.111 SW1.129 | length 266.3
  Top Layer w0.15: v1(-26.523,-1.91) -25.962,-1.91 ccw(c-25.962,0.63) -24.166,-1.166 -23.744,-0.744 cw(c-21.948,-2.54) -21.948,0 -8.867,0 cw(c-8.867,-3.905) -6.106,-1.144 -5.348,-1.902 ccw(c-2.698,0.747) -2.698,-3 1.698,-3 ccw(c1.698,-0.46) 3.494,-2.256 5.543,-0.207 cw(c7.854,-2.518) 7.854,0.75 12.991,0.75 ccw(c12.991,4.997) 15.994,1.994 17.256,3.256 ccw(c15.46,5.052) 18,5.052 18,21.691 cw(c20.54,21.691) 18.744,23.487 29.116,33.859 ccw(c27.32,35.655) 29.86,35.655 MOD1.19@29.86,38.63 ; v1(15.062,-34.1) 15.709,-33.453 cw(c17.505,-35.249) 17.505,-32.709 41.541,-32.709 ccw(c41.541,-31.279) 42.971,-31.279 42.971,-25.387 ccw(c41.363,-25.387) v1(42.5,-24.25)
  Bottom Layer w0.15: v1(-26.523,-1.91) v1(-24.538,-10.4) v1(-17.938,-26.2) -16.244,-27.894 cw(c-18.04,-29.69) -15.5,-29.69 -15.5,-33.486 ccw(c-12.96,-33.486) -14.756,-35.282 v1(-8.038,-42) -4.532,-45.506 ccw(c-2.736,-43.71) -2.736,-46.25 21.948,-46.25 ccw(c21.948,-43.71) 23.744,-45.506 32.256,-36.994 cw(c34.052,-38.79) 34.052,-36.25 34.948,-36.25 ccw(c34.948,-33.71) 36.744,-35.506 37.005,-35.245 ccw(c35.209,-33.449) 37.749,-33.449 v1(37.749,-26.187) ; v1(8.462,-18.3) v1(15.062,-34.1) ; v1(34.862,-10.4) v1(41.462,-26.2) 41.855,-25.808 ccw(c40.297,-24.25) v1(42.5,-24.25)
COL2: MOD1.18 SW1.5 SW1.23 SW1.41 SW1.59 SW1.77 SW1.95 SW1.113 SW1.131 | length 228.3
  Top Layer w0.15: v1(-37.738,-34.1) -36.382,-32.744 cw(c-34.585,-34.54) -34.585,-32 -31.5,-32 ccw(c-31.5,-30.174) -29.674,-30.174 -29.674,-26.424 cw(c-28,-26.424) -28,-24.75 -17.54,-24.75 cw(c-17.54,-27.29) -15.744,-25.494 -15.051,-26.187 ; v1(-16.848,-1.91) -14.212,-1.91 ccw(c-14.212,0.63) -12.416,-1.166 -11.994,-0.744 cw(c-11.405,-1.333) -11.405,-0.5 -9.117,-0.5 cw(c-9.117,-4.405) -6.356,-1.644 -5.598,-2.402 ccw(c-2.948,0.247) -2.948,-3.5 1.948,-3.5 ccw(c1.948,-0.96) 3.744,-2.756 5.793,-0.707 cw(c8.104,-3.018) 8.104,0.25 13.241,0.25 ccw(c13.241,4.497) 16.244,1.494 17.756,3.006 ccw(c15.96,4.802) 18.5,4.802 18.5,21.483 cw(c21.04,21.483) 19.244,23.279 30.386,34.422 ccw(c28.59,36.218) 31.13,36.218 MOD1.18@31.13,38.63 ; v1(1.862,-42) 3.118,-40.744 cw(c4.915,-42.54) 4.915,-40 14.198,-40 ccw(c14.198,-37.46) 15.994,-39.256 ccw(c14.772,-38.034) 16.5,-38.034 v1(16.5,-37) ; v1(16,-15.5) 21.5,-15.5 ccw(c21.5,-14.259) 22.741,-14.259 22.741,-10.27 cw(c24.261,-10.27) 24.261,-8.75 35.767,-8.75 cw(c35.767,-9.583) 36.356,-8.994 37.749,-10.387
  Bottom Layer w0.15: v1(-16.848,-1.91) v1(-17.938,-10.4) v1(-11.338,-26.2) -9.744,-27.794 cw(c-11.54,-29.59) -9,-29.59 -9,-30.086 ccw(c-6.46,-30.086) -8.256,-31.882 v1(1.862,-42) ; v1(16,-15.5) 15.806,-15.694 ccw(c17.602,-17.49) 15.062,-17.49 v1(15.062,-18.3) v1(21.662,-34.1) 18.27,-34.1 ccw(c18.27,-35.551) 17.244,-34.525 ccw(c19.04,-36.321) 16.5,-36.321 v1(16.5,-37)
COL3: MOD1.17 SW1.7 SW1.25 SW1.43 SW1.61 SW1.79 SW1.97 SW1.115 SW1.133 | length 225.2
  Top Layer w0.15: v1(-7.173,-1.91) -5.777,-3.306 ccw(c-3.981,-1.51) -3.981,-4.05 2.148,-4.05 ccw(c2.148,-1.51) 3.944,-3.306 6.043,-1.207 cw(c8.354,-3.518) 8.354,-0.25 13.491,-0.25 ccw(c13.491,3.997) 16.494,0.994 18.256,2.756 ccw(c16.46,4.552) 19,4.552 19,21.276 cw(c21.54,21.276) 19.744,23.072 31.656,34.984 ccw(c29.86,36.781) 32.4,36.781 MOD1.17@32.4,38.63
  Bottom Layer w0.15: -39.006,-17.032 v1(-37.738,-18.3) v1(-31.138,-34.1) ; -39.006,-17.032 cw(c-37.21,-15.236) -39.75,-15.236 -39.75,-3.04 cw(c-37.21,-3.04) -37.21,-0.5 -9.635,-0.5 cw(c-9.635,-3.04) -7.839,-1.244 v1(-7.173,-1.91) v1(-11.338,-10.4) v1(-4.738,-26.2) -4.738,-29.96 ccw(c-2.198,-29.96) -3.994,-31.756 5.506,-41.256 ccw(c7.302,-39.46) 7.302,-42 v1(11.762,-42) v1(28.262,-34.1) v1(21.662,-18.3)
COL4: MOD1.16 SW1.9 SW1.27 SW1.45 SW1.63 SW1.81 SW1.99 SW1.117 SW1.135 | length 221.6
  Top Layer w0.15: v1(-31.138,-16) v1(-4,-16) ; v1(10.902,-1.91) 13.538,-1.91 ccw(c13.538,0.63) 15.334,-1.166 18.756,2.256 ccw(c16.96,4.052) 19.5,4.052 19.5,21.069 cw(c22.04,21.069) 20.244,22.865 32.926,35.547 ccw(c31.13,37.343) 33.67,37.343 MOD1.16@33.67,38.63
  Bottom Layer w0.15: v1(-31.138,-16) v1(-31.138,-18.3) v1(-24.538,-34.1) ; v1(10.902,-1.91) v1(-4.738,-10.4) -4.738,-14.219 ccw(c-2.219,-14.219) v1(-4,-16) 1.118,-21.118 cw(c-0.678,-22.914) 1.862,-22.914 v1(1.862,-26.2) 1.862,-29.56 ccw(c4.402,-29.56) 2.606,-31.356 9.006,-37.756 ccw(c10.802,-35.96) 10.802,-38.5 16.448,-38.5 ccw(c16.448,-35.96) 18.244,-37.756 19.356,-36.644 cw(c21.152,-38.44) 21.152,-35.9 22.298,-35.9 ccw(c22.298,-33.36) 24.094,-35.156 24.256,-34.994 ccw(c22.46,-33.198) 25,-33.198 25,-28.052 ccw(c22.46,-28.052) 24.256,-26.256 21.494,-23.494 cw(c23.29,-21.698) 20.75,-21.698 20.75,-17.96 cw(c21.96,-17.96) 21.96,-16.75 cw(c21.96,-19.29) 23.756,-17.494 v1(24.549,-18.287) ; v1(21.662,-42) v1(34.862,-34.1) v1(28.262,-18.3)
COL5: R1.1 SW1.11 SW1.29 SW1.47 SW1.65 SW1.83 SW1.101 SW1.119 SW1.137 | length 217
  Top Layer w0.15: SW1.11@18.715,-1.209 18.715,-1.2 18.715,0.306 cw(c20.909,0.306) 19.358,1.858 ; 19.358,1.858 ccw(c17.806,3.409) 20,3.409 20,20.862 cw(c22.54,20.862) 20.744,22.658 33.563,35.477 ccw(c31.767,37.273) 34.307,37.273 34.307,40.848 cw(c35.654,40.848) 34.701,41.801 R1.1@35.25,42.35
  Bottom Layer w0.15: v1(-24.538,-18.3) v1(-17.938,-34.1) -17.938,-34.71 ccw(c-15.398,-34.71) -17.194,-36.506 -7.694,-46.006 ccw(c-5.898,-44.21) -5.898,-46.75 22.46,-46.75 ccw(c22.46,-44.21) 24.256,-46.006 v1(28.262,-42) v1(41.462,-34.1) 40.494,-33.132 cw(c42.29,-31.336) 39.75,-31.336 39.75,-26.552 ccw(c37.21,-26.552) 39.006,-24.756 35.606,-21.356 cw(c37.402,-19.56) 34.862,-19.56 v1(34.862,-18.3) 34.862,-14.164 ccw(c32.322,-14.164) 34.118,-12.368 33.238,-11.488 cw(c35.034,-9.692) 32.494,-9.692 32.494,-6.297 ccw(c29.954,-6.297) 31.75,-4.5 28.494,-1.244 ccw(c26.698,-3.04) 26.698,-0.5 22.948,-0.5 ccw(c22.948,-2.819) 21.308,-1.179 v1(20.577,-1.91) ; v1(8.462,-26.2) v1(1.862,-10.4) v1(16.864,-1.896)
COL6: MOD1.14 SW1.13 SW1.31 SW1.49 SW1.67 SW1.85 SW1.103 SW1.121 SW1.139 | length 248.8
  Top Layer w0.15: -41.451,-41.987 -41.861,-42.396 ccw(c-40.065,-44.192) -42.605,-44.192 -42.605,-45.895 ccw(c-40.75,-45.895) -40.75,-47.75 -7.04,-47.75 ccw(c-7.04,-45.21) -4.5,-45.21 v1(-4.5,-44.5) ; v1(-11.338,-34.1) -10.428,-33.19 cw(c-8.632,-34.986) -8.632,-32.446 0.213,-32.446 ccw(c0.213,-30.943) 1.276,-32.006 1.312,-31.97 cw(c3.108,-33.766) 3.108,-31.226 14.498,-31.226 ccw(c14.498,-28.748) v1(16.25,-30.5) ; SW1.13@28.39,-1.209 SW1.13@28.39,-1.2 ; v1(30.252,-1.91) 32.006,-0.156 ccw(c30.21,1.64) 32.75,1.64 32.75,2.198 ccw(c30.21,2.198) 32.006,3.994 21.244,14.756 cw(c23.04,16.552) 20.5,16.552 20.5,20.655 cw(c23.04,20.655) 21.244,22.451 35.796,37.003 ; 35.797,37.004 ccw(c34.796,38.003) 36.21,38.003 MOD1.14@36.21,38.63
  Bottom Layer w0.15: v1(-17.938,-18.3) v1(-11.338,-34.1) -5.244,-40.194 cw(c-7.04,-41.99) -4.5,-41.99 v1(-4.5,-44.5) ; v1(16.25,-30.5) 16.25,-28.44 ccw(c13.71,-28.44) 15.506,-26.644 v1(15.062,-26.2) v1(8.462,-10.4) 13.618,-5.244 cw(c15.415,-7.04) 15.415,-4.5 22.883,-4.5 ccw(c22.883,-1.96) 24.679,-3.756 v1(26.539,-1.897) ; v1(30.252,-1.91) 38.256,-9.914 cw(c36.46,-11.71) 39,-11.71 39,-14.786 ccw(c41.54,-14.786) 39.744,-16.582 v1(41.462,-18.3) 42.506,-19.344 cw(c41.265,-20.585) 43.02,-20.585 43.02,-24.028 43.025,-24.033 43.025,-24.467 43.02,-24.472 43.02,-33.115 cw(c41.265,-33.115) 42.506,-34.356 v1(34.862,-42)
COL7: R5.1 SW1.15 SW1.33 SW1.51 SW1.69 SW1.87 SW1.105 SW1.123 SW1.141 | length 295.6
  Top Layer w0.15: -41.451,-26.187 -42.006,-25.632 cw(c-40.21,-23.836) -42.75,-23.836 -42.75,-18.716 cw(c-41.022,-18.716) -42.244,-17.494 cw(c-40.448,-19.29) -40.448,-16.75 -17.64,-16.75 cw(c-17.64,-19.29) -15.844,-17.494 -15.051,-18.287 ; v1(21.662,-26.2) 22.868,-24.994 cw(c24.665,-26.79) 24.665,-24.25 v1(25,-24.25) ; 36.214,-1.897 34.244,0.073 cw(c36.04,1.869) 33.5,1.869 33.5,2.304 ccw(c30.96,2.304) 32.756,4.1 21.744,15.112 cw(c23.54,16.908) 21,16.908 21,20.448 cw(c23.54,20.448) 21.744,22.244 36.411,36.911 ; 36.412,36.912 ccw(c35.353,37.968) 36.849,37.968 36.849,40.88 cw(c38.221,40.88) 37.25,41.85 ; R5.1@37.251,41.851 R5.1@37.75,42.35 ; SW1.15@38.056,-1.2 SW1.15@38.065,-1.209
  Bottom Layer w0.15: v1(-37.738,-26.2) v1(-31.138,-42) ; v1(-11.338,-18.3) v1(-4.738,-34.1) 3.168,-42.006 ccw(c4.964,-40.21) 4.964,-42.75 17.433,-42.75 ccw(c17.433,-40.21) 19.229,-42.006 23.741,-37.494 cw(c25.537,-39.29) 25.537,-36.75 26.63,-36.75 ccw(c26.63,-34.21) 28.426,-36.006 28.992,-35.44 ccw(c27.196,-33.644) 29.736,-33.644 29.736,-30.038 ccw(c27.196,-30.038) 28.992,-28.242 v1(25,-24.25) ; v1(21.662,-26.2) v1(15.062,-10.4) 18.718,-6.744 cw(c20.515,-8.54) 20.515,-6 24.948,-6 ccw(c24.948,-3.46) 26.744,-5.256 27.006,-4.994 ccw(c25.21,-3.198) 27.75,-3.198 27.75,-1.618 ccw(c27.132,-1.618) 27.132,-1 26.5,-1 ccw(c26.5,-2.811) 25.22,-1.53 24.744,-2.006 cw(c22.948,-0.21) 22.948,-2.75 20,-2.75 cw(c20,-2) 19.25,-2 19.25,-1 cw(c20.132,-1) 20.132,-0.118 37.083,-0.118 cw(c37.083,-2.658) 38.879,-0.862 v1(39.927,-1.91) 39.927,-4.115 cw(c37.615,-4.115) 39.25,-5.75 ccw(c40.457,-6.957) 38.75,-6.957 38.75,-8.198 ccw(c41.29,-8.198) 39.494,-9.994 42.762,-13.262 cw(c40.966,-15.058) 43.506,-15.058 43.506,-37.605 cw(c37.829,-37.605) 41.843,-41.619 v1(41.462,-42)